# Altium PCB roach2.PcbDoc (part 36 of 39) (continued)
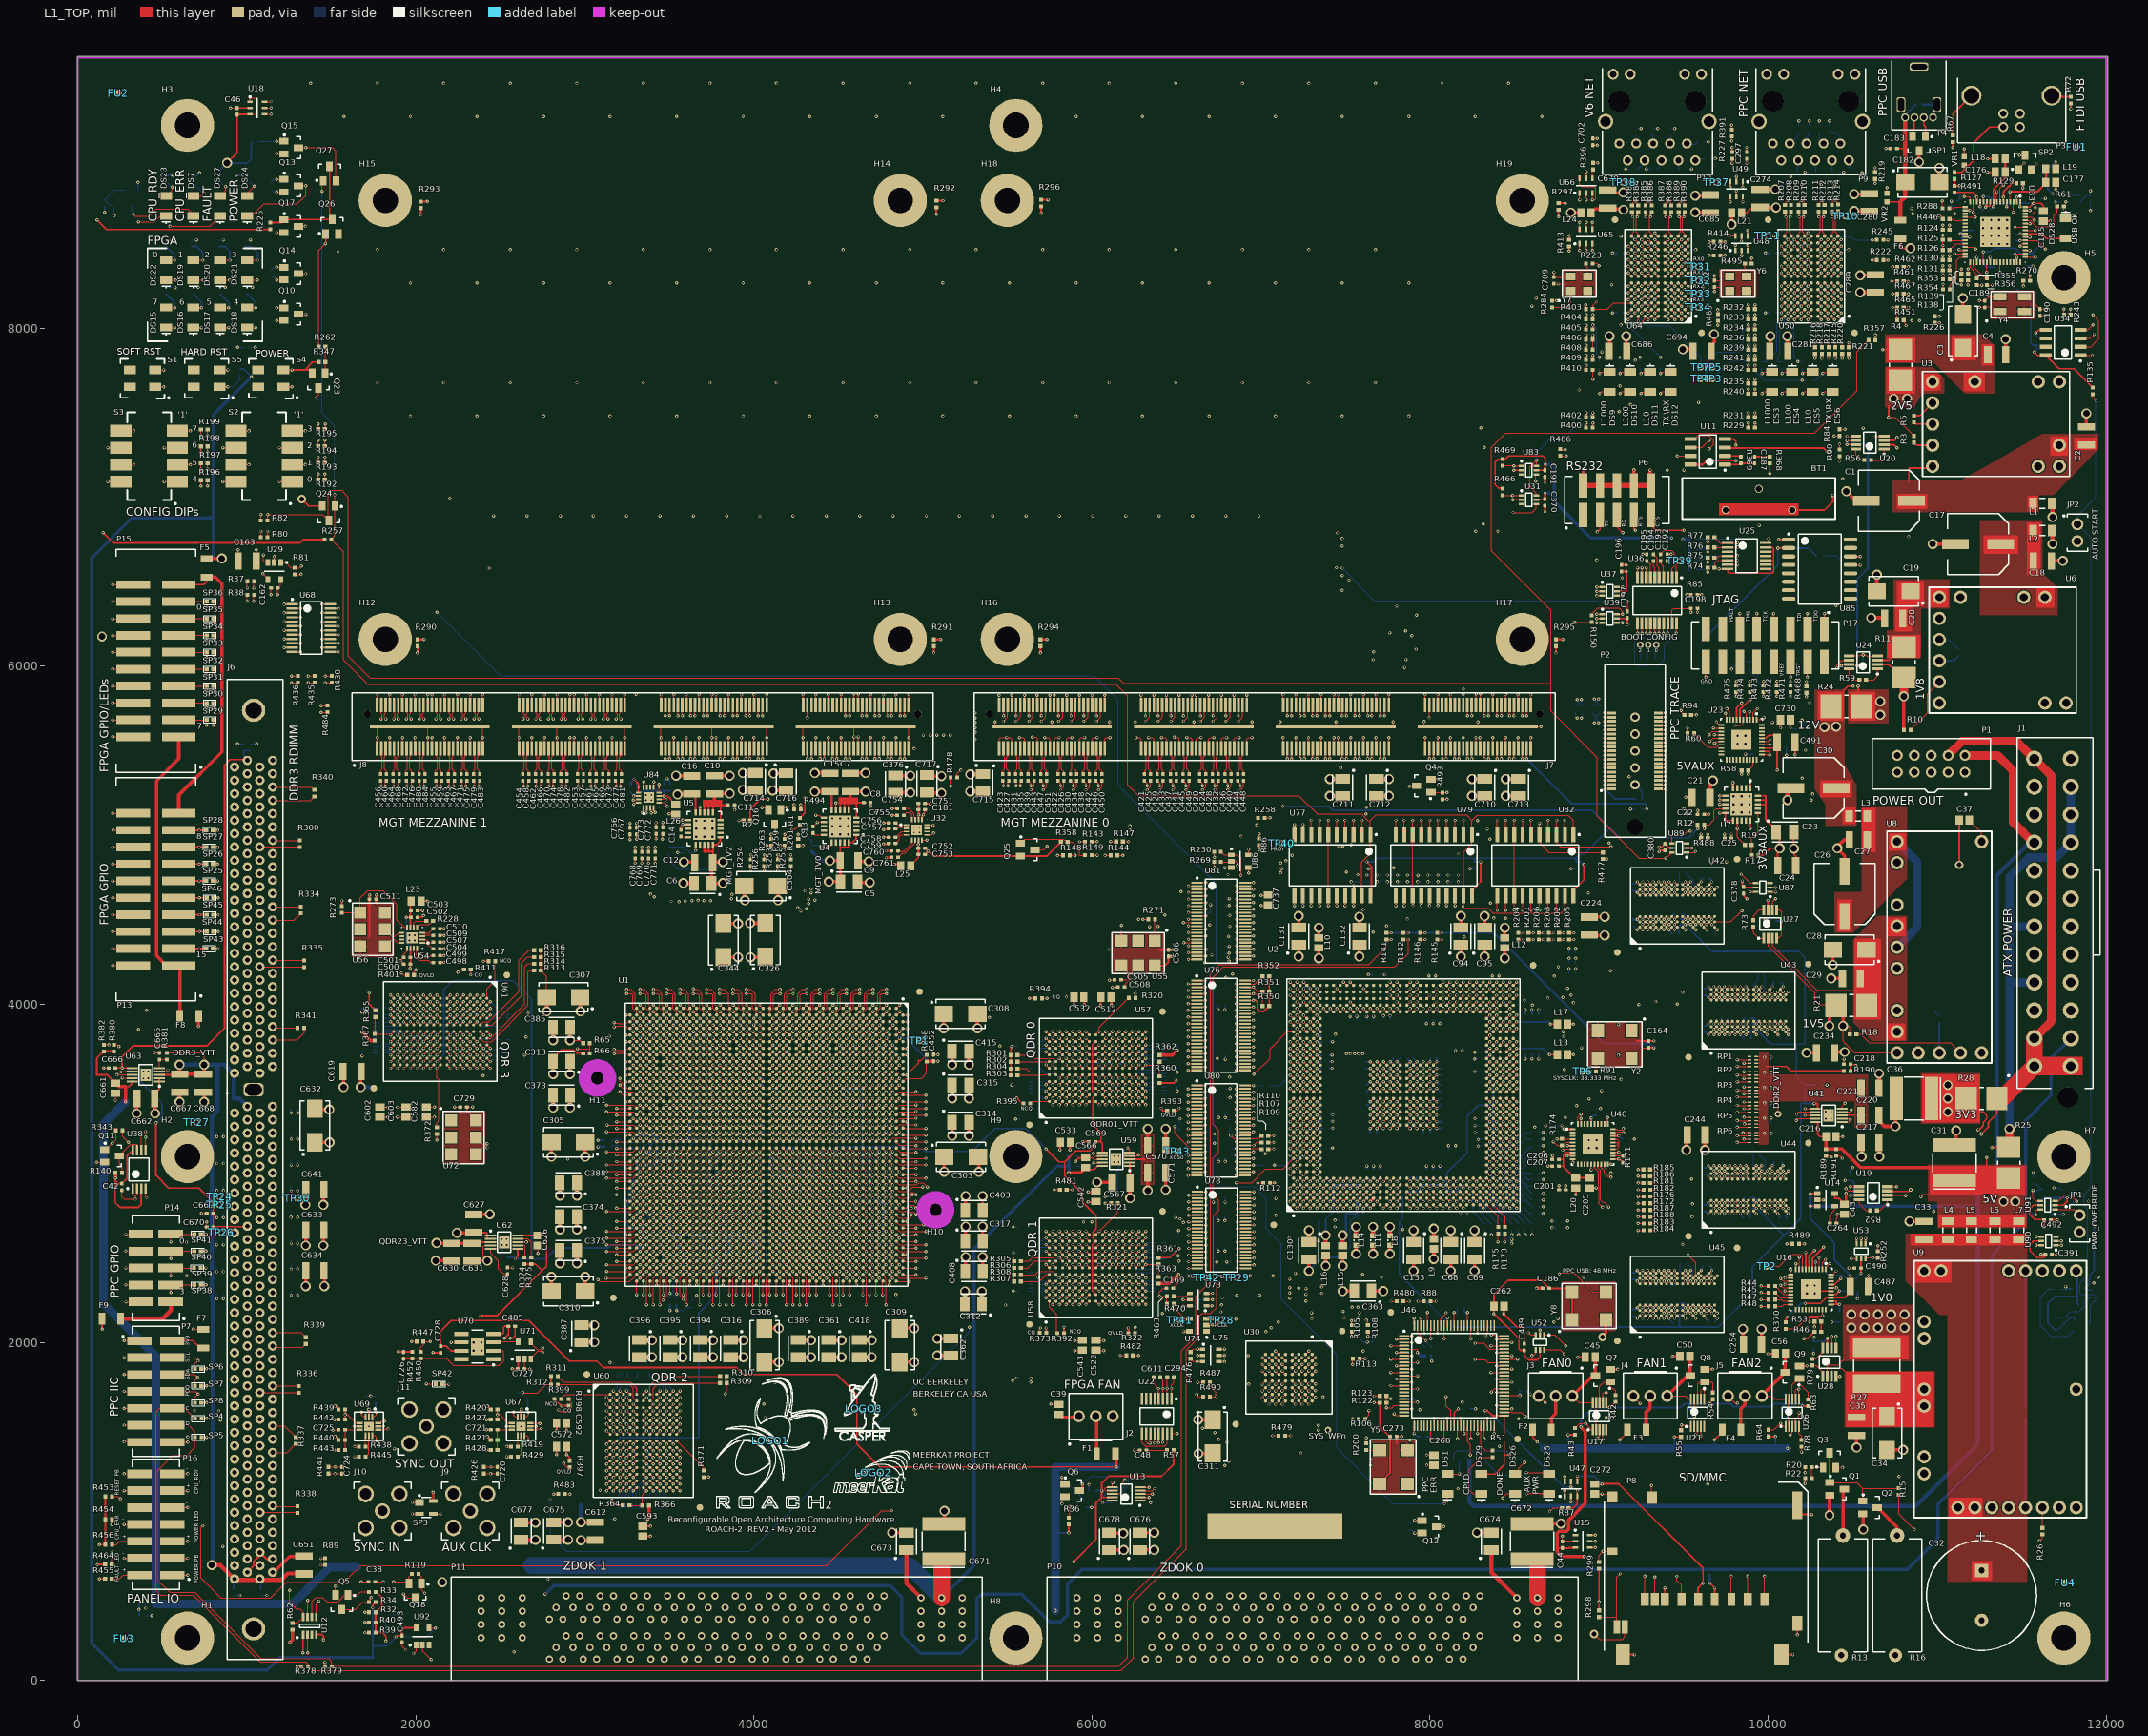
[diagram p0: L1_TOP view]
## Nets (pads, with @x,y where several pads share a name; then routed paths per layer and width w, separated by ;. In a path a pad name is that pad's centre, name@x,y a point inside that pad or via, vN(x,y) a via of type N, cw(c..) or ccw(c..) an arc to the next point about the centre after c; other vN are vias at no path point) (continued)
ZDOK0.DP_P16: P10.D13 U1.E42 | length 5161.6
  L1_TOP w5: v2(4723.51,2281.93) U1.E42@4723.51,2360.67
  L14_S w3.8: v2@4723.46,2283.46 4722.72,2282.72 4708.79,2268.79 4708.79,2256.19 4723.99,2240.99 4723.99,2157.99 4783.99,2097.99 4783.99,1706.99 5372.99,1117.99 5598.99,1117.99 ccw(c5598.99,1122.39) 5603.39,1122.39 5603.39,1180.7 cw(c5615.59,1180.7) 5627.79,1180.7 5627.79,1047.49 ccw(c5632.19,1047.49) 5636.59,1047.49 5636.59,1180.7 cw(c5648.79,1180.7) 5660.99,1180.7 5660.99,1047.49 ccw(c5665.39,1047.49) 5669.79,1047.49 5669.79,1180.7 cw(c5681.99,1180.7) 5694.19,1180.7 5694.19,1047.49 ccw(c5698.59,1047.49) 5702.99,1047.49 5702.99,1180.7 cw(c5715.19,1180.7) 5727.39,1180.7 5727.39,1122.39 ccw(c5731.79,1122.39) 5731.79,1117.99 5954.02,1117.99 6144.02,927.99 6429.02,927.99 6559.02,797.99 7284.02,797.99 7443.51,638.51 7457.99,624.02 7457.99,473.1 7427.41,442.52 7427.41,403.58 7487.99,342.99 7495.98,342.99 P10.D13@7515.2,362.2 ; v2@4723.51,2283.46 v2@4724.41,2283.46
ZDOK0.DP_P17: P10.D15 U1.C40 | length 5188.7
  L1_TOP w5: U1.C40@4802.25,2439.41 v1(4821.94,2419.72)
  L3_S w3.8: v1@4822.84,2421.26 4822.84,2419.72 4822.84,2419.15 4838.19,2403.79 4865.22,2403.79 4891.79,2377.22 4891.79,2279.22 5003.79,2167.22 5003.79,1855.19 5275.99,1582.99 5549.02,1582.99 5839.02,1292.99 5848.99,1292.99 ccw(c5848.99,1297.39) 5853.39,1297.39 5853.39,1303.99 cw(c5865.59,1303.99) 5877.79,1303.99 5877.79,1241.99 ccw(c5882.19,1241.99) 5886.59,1241.99 5886.59,1303.99 cw(c5898.79,1303.99) 5910.99,1303.99 5910.99,1241.99 ccw(c5915.39,1241.99) 5919.79,1241.99 5919.79,1303.99 cw(c5931.99,1303.99) 5944.19,1303.99 5944.19,1241.99 ccw(c5948.59,1241.99) 5952.99,1241.99 5952.99,1303.99 cw(c5965.19,1303.99) 5977.39,1303.99 5977.39,1241.99 ccw(c5981.79,1241.99) 5986.19,1241.99 5986.19,1303.99 cw(c5998.39,1303.99) 6010.59,1303.99 6010.59,1241.99 ccw(c6014.99,1241.99) 6019.39,1241.99 6019.39,1303.99 cw(c6031.59,1303.99) 6043.79,1303.99 6043.79,1241.99 ccw(c6048.19,1241.99) 6052.59,1241.99 6052.59,1303.99 cw(c6064.79,1303.99) 6076.99,1303.99 6076.99,1241.99 ccw(c6081.39,1241.99) 6085.79,1241.99 6085.79,1303.99 cw(c6097.99,1303.99) 6110.19,1303.99 6110.19,1241.99 ccw(c6114.59,1241.99) 6118.99,1241.99 6118.99,1280.79 cw(c6131.19,1280.79) 6131.19,1292.99 6454.02,1292.99 6674.02,1072.99 6946.22,1072.99 7170.79,848.42 7202.56,848.42 7602.99,447.99 7602.99,417.99 7682.99,337.99 7690.98,337.99 P10.D15@7715.2,362.2
ZDOK0.DP_P18: P10.D17 U1.E39 | length 5188.9
  L1_TOP w5: U1.E39@4723.51,2478.78 v1(4743.2,2459.09)
  L3_S w3.8: v1@4750.37,2460.63 4744.1,2460.63 4758.16,2474.69 4829.99,2474.69 4837.69,2466.99 4837.69,2449.62 4851.62,2435.69 4921.22,2435.69 4940.9,2416.01 5024.95,2416.01 5046.99,2393.96 5046.99,2361.19 5135.99,2272.19 5135.99,1850.96 5371.76,1615.19 5585.79,1615.19 5875.79,1325.19 6520.79,1325.19 6705.28,1140.71 6714.99,1140.71 ccw(c6714.99,1152.91) 6727.19,1152.91 6727.19,1167.8 cw(c6731.59,1167.8) 6735.99,1167.8 6735.99,1095.38 ccw(c6748.19,1095.38) 6760.39,1095.38 6760.39,1167.8 cw(c6764.79,1167.8) 6769.19,1167.8 6769.19,1095.38 ccw(c6781.39,1095.38) 6793.59,1095.38 6793.59,1167.8 cw(c6797.99,1167.8) 6802.39,1167.8 6802.39,1095.38 ccw(c6814.59,1095.38) 6826.79,1095.38 6826.79,1167.8 cw(c6831.19,1167.8) 6835.59,1167.8 6835.59,1095.38 ccw(c6847.79,1095.38) 6859.99,1095.38 6859.99,1167.8 cw(c6864.39,1167.8) 6868.79,1167.8 6868.79,1095.38 ccw(c6880.99,1095.38) 6893.19,1095.38 6893.19,1136.31 cw(c6897.59,1136.31) 6897.59,1140.71 6964.25,1140.71 6967.2,1137.75 7030.51,1074.44 ; 7030.52,1074.44 7549.76,555.19 7702.99,555.19 7757.99,500.19 7757.99,474.76 7850.8,381.96 7895.44,381.96 P10.D17@7915.2,362.2
ZDOK0.DP_P19: P10.D19 U1.B37 | length 5211.8
  L1_TOP w5: U1.B37@4841.62,2557.52 4861.31,2537.83 v2(5018.79,2537.83)
  L9_R w3.8: v2@5019.68,2539.37 5019.68,2537.83 5019.68,2533.87 5121.79,2431.76 5121.79,2150.99 5342.79,1929.99 5472.99,1929.99 5614.49,1788.49 5637.89,1788.49 v2(5637.99,1788.59)
  L12_S w3.8: v2(5637.99,1788.59) 5637.99,1787.25 5735.79,1689.45 5735.79,1490.19 6107.99,1117.99 6262.99,1117.99 6310.76,1165.76 6411.25,1165.76 6469.02,1107.99 6974.99,1107.99 ccw(c6974.99,1112.39) 6979.39,1112.39 6979.39,1149.29 cw(c6991.59,1149.29) 7003.79,1149.29 7003.79,1051.18 ccw(c7008.19,1051.18) 7012.59,1051.18 7012.59,1149.29 cw(c7024.79,1149.29) 7036.99,1149.29 7036.99,1051.18 ccw(c7041.39,1051.18) 7045.79,1051.18 7045.79,1149.29 cw(c7057.99,1149.29) 7070.19,1149.29 7070.19,1051.18 ccw(c7074.59,1051.18) 7078.99,1051.18 7078.99,1095.79 cw(c7091.19,1095.79) 7091.19,1107.99 7259.02,1107.99 7764.02,602.99 7896.22,602.99 7965.79,533.42 7965.79,478.42 7997.99,446.22 7997.99,422.99 8082.99,337.99 8090.98,337.99 P10.D19@8115.2,362.2
ZDOK0.DP_P20: P10.C1 U1.R28 | length 5193.9
  L1_TOP w5: U1.R28@4329.81,2911.85 v1(4349.5,2892.16)
  L3_S w3.8: v1(4349.5,2892.16) 4373.27,2868.39 4373.27,2341.72 4404.99,2309.99 4404.99,1739.99 4558.99,1585.99 4574.99,1585.99 5072.99,1087.99 5132.99,1087.99 5382.49,838.5 5470.16,750.83 cw(c5461.53,742.2) 5473.73,742.2 cw(c5461.53,742.2) 5470.16,733.57 5427.79,691.2 ccw(c5430.9,688.09) 5427.79,684.98 ccw(c5430.9,688.09) 5434.01,684.98 5507,757.97 cw(c5515.63,749.35) 5524.26,757.98 cw(c5515.63,749.35) 5527.83,749.35 cw(c5515.63,749.35) 5524.26,740.72 5499.51,715.97 ; 5499.5,715.96 5451.26,667.73 ccw(c5454.37,664.62) 5451.26,661.51 ccw(c5454.37,664.62) 5457.49,661.51 5530.47,734.5 cw(c5539.11,725.87) 5547.73,734.5 cw(c5539.11,725.87) 5551.3,725.87 cw(c5539.11,725.87) 5547.73,717.25 5522.98,692.5 5474.74,644.25 ccw(c5477.85,641.14) 5474.74,638.03 ccw(c5477.85,641.14) 5480.96,638.03 5553.95,711.02 cw(c5562.58,702.4) 5571.21,711.03 cw(c5562.58,702.4) 5574.78,702.4 cw(c5562.58,702.4) 5571.21,693.77 5546.46,669.02 ; 5545.16,573.83 ccw(c5548.27,570.72) 5545.16,567.61 ccw(c5548.27,570.72) 5551.39,567.61 5593.75,609.97 cw(c5602.38,601.35) 5611.01,609.98 5657.99,562.99 6154.02,562.99 6232.99,484.02 6232.99,307.99 6277.99,262.99 6414.21,262.99 P10.C1@6415,263.78 ; 5545.17,573.83 5618.15,646.82 ccw(c5609.53,655.45) 5621.73,655.45 ccw(c5609.53,655.45) 5618.16,664.08 ccw(c5609.53,655.45) 5600.9,664.08 5527.92,591.09 cw(c5524.8,594.19) 5521.69,591.08 cw(c5524.8,594.19) 5521.69,597.3 5594.68,670.29 ccw(c5586.06,678.92) 5598.26,678.92 ccw(c5586.06,678.92) 5594.68,687.55 ccw(c5586.06,678.92) 5577.43,687.55 5504.44,614.56 cw(c5501.32,617.67) 5498.21,614.56 cw(c5501.32,617.67) 5498.21,620.78 5546.45,669.01
ZDOK0.DP_P21: P10.C3 U1.M33 | length 5163.9
  L1_TOP w5: U1.M33@4448.82,2716.54 4448.82,2714.1 v1(4467.61,2695.31)
  L5_S w3.8: v1(4467.61,2695.31) 4483.21,2679.71 4483.21,2634.07 4491.01,2626.27 4491.01,2311.3 4511.06,2291.25 4511.06,2261.62 4511.59,2261.09 4511.59,2253.79 4531.27,2234.1 4531.27,2060.84 4561.22,2030.9 4561.22,1839.76 4845.79,1555.19 4845.79,1445.19 5207.99,1082.99 5438.99,1082.99 ccw(c5438.99,1087.39) 5443.39,1087.39 5443.39,1147.72 cw(c5455.59,1147.72) 5467.79,1147.72 5467.79,1010.46 ccw(c5472.19,1010.46) 5476.59,1010.46 5476.59,1147.72 cw(c5488.79,1147.72) 5500.99,1147.72 5500.99,1010.46 ccw(c5505.39,1010.46) 5509.79,1010.46 5509.79,1147.72 cw(c5521.99,1147.72) 5534.19,1147.72 5534.19,1010.46 ccw(c5538.59,1010.46) 5542.99,1010.46 5542.99,1147.72 cw(c5555.19,1147.72) 5567.39,1147.72 5567.39,1010.46 ccw(c5571.79,1010.46) 5576.19,1010.46 5576.19,1147.72 cw(c5588.39,1147.72) 5600.59,1147.72 5600.59,1087.39 ccw(c5604.99,1087.39) 5604.99,1082.99 5731.22,1082.99 5736.46,1077.75 5759.11,1055.11 6108.42,705.79 6237.21,705.79 6312,631 6312,428 6367.56,372.44 6367.56,338.42 6395.19,310.79 6505.19,310.79 6572.99,242.99 6594.21,242.99 P10.C3@6615,263.78
ZDOK0.DP_P22: P10.C5 U1.N29 | length 5200.5
  L1_TOP w5: U1.N29@4408.55,2872.48 v1(4428.24,2852.79)
  L3_S w3.8: v1(4428.24,2852.79) 4446.04,2834.99 4474.38,2834.99 4491.38,2817.99 4491.38,2413.26 4511.06,2393.58 4511.06,2275.47 4534.83,2251.69 4534.83,2187.83 4523.99,2176.99 4523.99,2091.99 4561.99,2053.99 4561.99,1796.99 5140.99,1217.99 5206.22,1217.99 5230.1,1194.11 5248.96,1175.26 ccw(c5252.07,1178.37) 5255.18,1175.26 5277.41,1197.49 cw(c5286.04,1188.86) 5294.66,1197.49 cw(c5286.04,1188.86) 5298.23,1188.86 cw(c5286.04,1188.86) 5294.66,1180.24 5266.57,1152.14 5225.97,1111.54 ; 5225.96,1111.54 ccw(c5229.07,1108.43) 5225.96,1105.31 ccw(c5229.07,1108.43) 5232.18,1105.31 5300.88,1174.01 cw(c5309.51,1165.39) 5318.14,1174.01 cw(c5309.51,1165.39) 5321.71,1165.39 cw(c5309.51,1165.39) 5318.14,1156.76 5290.04,1128.67 5249.44,1088.07 ; 5249.44,1088.06 ccw(c5252.55,1084.95) 5249.44,1081.84 ccw(c5252.55,1084.95) 5255.66,1081.84 5324.36,1150.54 cw(c5332.99,1141.91) 5341.61,1150.54 cw(c5332.99,1141.91) 5345.18,1141.91 cw(c5332.99,1141.91) 5341.61,1133.29 5313.52,1105.19 5272.92,1064.59 ; 5272.91,1064.59 ccw(c5276.02,1061.48) 5272.91,1058.36 ccw(c5276.02,1061.48) 5279.14,1058.36 5347.83,1127.06 cw(c5356.46,1118.44) 5365.09,1127.06 cw(c5356.46,1118.44) 5368.66,1118.44 cw(c5356.46,1118.44) 5365.09,1109.81 5336.99,1081.72 5296.39,1041.11 ccw(c5299.5,1038) 5296.39,1034.89 ccw(c5299.5,1038) 5302.61,1034.89 5371.31,1103.59 cw(c5379.94,1094.96) 5388.56,1103.59 cw(c5379.94,1094.96) 5392.14,1094.96 cw(c5379.94,1094.96) 5388.56,1086.34 5360.47,1058.24 ; 5360.46,1058.23 5319.86,1017.64 ccw(c5322.97,1014.53) 5319.86,1011.41 ccw(c5322.97,1014.53) 5326.09,1011.41 5360.82,1046.15 cw(c5369.44,1037.52) 5378.07,1046.15 5753.42,670.79 6216.22,670.79 6340.79,546.22 6340.79,495.19 6369.53,466.46 6369.6,466.46 6407.99,428.07 6407.99,417.99 6450.28,375.71 6450.28,336.74 6473.51,313.51 6717.48,313.51 6735.28,295.71 6735.28,280.71 6777.99,237.99 6789.21,237.99 P10.C5@6815,263.78
ZDOK0.DP_P23: P10.C7 U1.L34 | length 5250.1
  L1_TOP w5: U1.L34@4488.19,2677.17 4488.19,2674.73 v1(4506.98,2655.94)
  L12_S w3.8: v1(4506.98,2655.94) 4521.8,2655.94 4530.75,2647 4530.75,2567.88 4516.3,2553.43 4515,2553.43 4514.22,2552.65 4513.44,2553.43 4500.51,2553.43 4491.38,2544.3 4491.38,2413.26 4511.06,2393.58 4511.06,2275.47 4538.49,2248.03 4538.49,2083.59 4482.56,2027.67 4482.56,1891.42 4630.79,1743.19 4630.79,1580.19 5370.73,840.25 cw(c5360.12,829.64) 5375.13,829.64 cw(c5360.12,829.64) 5370.73,819.03 5327.88,776.19 ccw(c5331,773.07) 5334.11,769.96 5376.95,812.81 cw(c5387.56,802.2) 5398.17,812.81 cw(c5387.56,802.2) 5402.57,802.2 cw(c5387.56,802.2) 5398.18,791.59 5355.33,748.74 ccw(c5358.44,745.63) 5361.55,742.52 5404.4,785.36 cw(c5415.01,774.75) 5425.62,785.36 cw(c5415.01,774.75) 5430.02,774.75 cw(c5415.01,774.75) 5425.62,764.14 5382.77,721.3 ccw(c5385.89,718.18) 5389,715.07 5431.84,757.92 cw(c5442.45,747.31) 5453.07,757.92 5482.99,727.99 5654.89,727.99 cw(c5654.89,714.49) 5668.39,714.49 5668.39,658.95 ccw(c5672.79,658.95) 5677.19,658.95 5677.19,714.49 cw(c5690.69,714.49) 5704.19,714.49 5704.19,658.95 ccw(c5708.59,658.95) 5712.99,658.95 5712.99,714.49 cw(c5726.49,714.49) 5739.99,714.49 5739.99,658.95 ccw(c5744.39,658.95) 5748.79,658.95 5748.79,714.49 cw(c5762.29,714.49) 5775.79,714.49 5775.79,658.95 ccw(c5780.19,658.95) 5784.59,658.95 5784.59,714.49 cw(c5798.09,714.49) 5798.09,727.99 5939.02,727.99 6014.02,652.99 6526.01,652.99 6585,594 6585,465 6627.41,422.59 6627.41,398.58 6705.19,320.79 6895.19,320.79 6977.99,237.99 6989.21,237.99 P10.C7@7015,263.78
ZDOK0.DP_P24: P10.C9 U1.G34 | length 5168.6
  L1_TOP w5: U1.G34@4644.77,2675.63 v1(4664.46,2655.94)
  L5_S w3.8: v1(4664.46,2655.94) 4680.06,2640.34 4718.14,2640.34 4727.6,2630.89 4727.6,2373.89 4736.74,2364.75 4877.23,2364.75 4910.99,2330.99 4980.99,2330.99 5018.28,2293.71 5018.28,1882.28 5417.56,1482.99 5658.99,1482.99 ccw(c5658.99,1487.39) 5663.39,1487.39 5663.39,1548.14 cw(c5675.59,1548.14) 5687.79,1548.14 5687.79,1458.44 ccw(c5692.19,1458.44) 5696.59,1458.44 5696.59,1548.14 cw(c5708.79,1548.14) 5720.99,1548.14 5720.99,1458.44 ccw(c5725.39,1458.44) 5729.79,1458.44 5729.79,1548.14 cw(c5741.99,1548.14) 5754.19,1548.14 5754.19,1458.44 ccw(c5758.59,1458.44) 5762.99,1458.44 5762.99,1548.14 cw(c5775.19,1548.14) 5787.39,1548.14 5787.39,1458.44 ccw(c5791.79,1458.44) 5796.19,1458.44 5796.19,1548.14 cw(c5808.39,1548.14) 5820.59,1548.14 5820.59,1487.39 ccw(c5824.99,1487.39) 5824.99,1482.99 5891.22,1482.99 5896.46,1477.75 5899.11,1475.11 6058.42,1315.79 6381.22,1315.79 6961.22,735.79 7076.22,735.79 7145.79,666.22 7145.79,485.79 7117.99,457.99 7117.99,419.02 7157.99,379.02 7157.99,262.99 7182.99,237.99 7189.21,237.99 P10.C9@7215,263.78 ; v1@4665.36,2657.48 v1@4665.68,2657.16
ZDOK0.DP_P25: P10.C11 U1.F39 | length 5179.6
  L1_TOP w5: U1.F39@4684.14,2478.78 v1(4703.83,2459.09)
  L12_S w3.8: v1(4703.83,2459.09) 4688.23,2443.49 4688.23,2330.26 4707.91,2310.57 4707.91,2235.41 4688.94,2216.44 4688.94,2162.99 4793.99,2057.94 4793.99,1939.99 5100.79,1633.19 5100.79,1622.99 5118.89,1604.9 5234.83,1488.95 cw(c5226.2,1480.33) 5238.4,1480.33 cw(c5226.2,1480.33) 5234.83,1471.7 5201.2,1438.07 ccw(c5204.31,1434.96) 5201.2,1431.85 ccw(c5204.31,1434.96) 5207.42,1431.85 5296.63,1521.06 cw(c5305.26,1512.44) 5313.89,1521.06 cw(c5305.26,1512.44) 5317.46,1512.44 cw(c5305.26,1512.44) 5313.89,1503.81 5264.18,1454.1 5224.67,1414.59 ccw(c5227.78,1411.48) 5224.67,1408.37 ccw(c5227.78,1411.48) 5230.89,1408.37 5320.11,1497.58 cw(c5328.74,1488.96) 5337.37,1497.59 cw(c5328.74,1488.96) 5340.94,1488.96 cw(c5328.74,1488.96) 5337.37,1480.34 5287.65,1430.63 ; 5287.64,1430.62 5248.15,1391.12 ccw(c5251.26,1388.01) 5248.15,1384.9 ccw(c5251.26,1388.01) 5254.37,1384.9 5343.58,1474.11 cw(c5352.21,1465.49) 5360.84,1474.11 cw(c5352.21,1465.49) 5364.41,1465.49 cw(c5352.21,1465.49) 5360.84,1456.86 5311.13,1407.15 5271.62,1367.64 ccw(c5274.73,1364.53) 5271.62,1361.42 ccw(c5274.73,1364.53) 5277.84,1361.42 5311.47,1395.05 cw(c5320.1,1386.43) 5328.73,1395.05 5795.79,927.99 7159.02,927.99 7350.28,736.74 7350.28,505.28 7325.79,480.79 7325.79,413.42 7357.99,381.22 7357.99,257.99 7377.99,237.99 7389.21,237.99 P10.C11@7415,263.78
ZDOK0.DP_P26: P10.C13 U1.F37 | length 5194.9
  L1_TOP w5: U1.F37@4684.14,2557.52 v1(4703.83,2537.83)
  L3_S w3.8: v1(4703.83,2537.83) 4719.8,2521.86 4719.8,2346.16 4739.48,2326.47 4739.48,2188.97 4823.99,2104.46 4823.99,1902.76 5226.56,1500.19 5435.79,1500.19 5850.79,1085.19 6250.79,1085.19 6308.39,1027.59 6356.68,1027.59 6369.8,1040.71 6489.25,1040.71 6564.97,964.98 6599.52,930.44 6604.76,925.19 6694.39,925.19 ccw(c6694.39,937.39) 6706.59,937.39 6706.59,988.71 cw(c6710.99,988.71) 6715.39,988.71 6715.39,902.28 ccw(c6727.59,902.28) 6739.79,902.28 6739.79,988.71 cw(c6744.19,988.71) 6748.59,988.71 6748.59,902.28 ccw(c6760.79,902.28) 6772.99,902.28 6772.99,988.71 cw(c6777.39,988.71) 6781.79,988.71 6781.79,902.28 ccw(c6793.99,902.28) 6806.19,902.28 6806.19,988.71 cw(c6810.59,988.71) 6814.99,988.71 6814.99,902.28 ccw(c6827.19,902.28) 6839.39,902.28 6839.39,988.71 cw(c6843.79,988.71) 6848.19,988.71 6848.19,886.39 ccw(c6860.39,886.39) 6872.59,886.39 6872.59,920.79 cw(c6876.99,920.79) 6876.99,925.19 6897.99,925.19 7287.99,535.19 7307.99,535.19 7407.99,435.19 7407.99,404.76 7529.22,283.53 7595.25,283.53 P10.C13@7615,263.78
ZDOK0.DP_P27: P10.C15 U1.D42 | length 5123.2
  L1_TOP w5: v2(4762.88,2281.93) U1.D42@4762.88,2360.67
  L14_S w3.8: v2@4763.78,2283.46 4764.1,2283.15 4794.45,2252.79 4821.22,2252.79 4835.79,2238.22 4835.79,2178.99 4882.99,2131.79 4882.99,1847.99 4957.99,1772.99 5096.22,1772.99 5229.6,1639.61 5375.59,1493.63 cw(c5366.96,1485) 5379.16,1485 cw(c5366.96,1485) 5375.59,1476.37 5359.39,1460.17 ccw(c5362.49,1457.06) 5359.38,1453.95 ccw(c5362.49,1457.06) 5365.6,1453.95 5434.85,1523.19 cw(c5443.48,1514.57) 5452.1,1523.19 cw(c5443.48,1514.57) 5455.68,1514.57 cw(c5443.48,1514.57) 5452.1,1505.94 5404.94,1458.77 ; 5404.93,1458.76 5382.86,1436.69 ccw(c5385.97,1433.58) 5382.86,1430.47 ccw(c5385.97,1433.58) 5389.08,1430.47 5458.33,1499.72 cw(c5466.95,1491.09) 5475.58,1499.72 cw(c5466.95,1491.09) 5479.15,1491.09 cw(c5466.95,1491.09) 5475.58,1482.47 5406.33,1413.22 ccw(c5409.44,1410.11) 5406.33,1407 ccw(c5409.44,1410.11) 5412.55,1407 5481.8,1476.24 cw(c5490.43,1467.62) 5499.05,1476.24 cw(c5490.43,1467.62) 5502.63,1467.62 cw(c5490.43,1467.62) 5499.05,1458.99 5429.81,1389.74 ccw(c5432.92,1386.63) 5429.81,1383.52 ccw(c5432.92,1386.63) 5436.03,1383.52 5452.23,1399.73 cw(c5460.86,1391.1) 5469.49,1399.73 5533.42,1335.79 6006.22,1335.79 6188.51,1153.51 6293.51,1153.51 6315.28,1175.28 6436.74,1175.28 6584.02,1027.99 7326.22,1027.99 7597.99,756.22 ; 7597.11,757.11 7740.28,613.94 7740.28,470.28 7727.41,457.41 7727.41,414.61 7752.99,389.02 7752.99,267.99 7782.99,237.99 7789.21,237.99 P10.C15@7815,263.78
ZDOK0.DP_P28: P10.C17 U1.A40 | length 5100.7
  L1_TOP w5: U1.A40@4880.99,2439.41 4881.89,2439.41 v2(4959.73,2439.41)
  L14_S w3.8: v2@4960.63,2440.94 4960.95,2440.63 4975.42,2426.16 5083.76,2426.16 5195.79,2314.13 5195.79,2126.99 5419.79,1902.99 5521.22,1902.99 5585.79,1838.42 5585.79,1670.19 5787.99,1467.99 5912.99,1467.99 ccw(c5912.99,1472.39) 5917.39,1472.39 5917.39,1507.17 cw(c5929.59,1507.17) 5941.79,1507.17 5941.79,1435.69 ccw(c5946.19,1435.69) 5950.59,1435.69 5950.59,1524.5 cw(c5962.79,1524.5) 5974.99,1524.5 5974.99,1435.69 ccw(c5979.39,1435.69) 5983.79,1435.69 5983.79,1514.07 cw(c5995.99,1514.07) 6008.19,1514.07 6008.19,1435.69 ccw(c6012.59,1435.69) 6016.99,1435.69 6016.99,1507.12 cw(c6029.19,1507.12) 6041.39,1507.12 6041.39,1472.39 ccw(c6045.79,1472.39) 6045.79,1467.99 6089.02,1467.99 6094.26,1462.75 6155.51,1401.51 6284.02,1272.99 6511.22,1272.99 6643.42,1140.79 7411.22,1140.79 7960.79,591.22 7960.79,486.22 7990.31,456.7 7990.31,405.31 7957.99,372.99 7957.99,267.99 7982.99,242.99 7994.21,242.99 P10.C17@8015,263.78
ZDOK0.DP_P29: P10.F1 U1.L31 | length 5207.7
  L1_TOP w5: U1.L31@4487.29,2793.74 v1(4506.98,2774.05)
  L3_S w3.8: v1(4506.98,2774.05) 4530.75,2750.28 4530.75,2362.74 4550.43,2343.05 4550.43,2112.55 4551.33,2111.65 4602.79,2060.19 4602.79,1847.99 5192.79,1257.99 5256.22,1257.99 5778.42,735.79 5798.99,735.79 ccw(c5798.99,740.19) 5803.39,740.19 5803.39,801.43 cw(c5815.59,801.43) 5827.79,801.43 5827.79,692.36 ccw(c5832.19,692.36) 5836.59,692.36 5836.59,801.43 cw(c5848.79,801.43) 5860.99,801.43 5860.99,709.83 ccw(c5865.39,709.83) 5869.79,709.83 5869.79,801.43 cw(c5881.99,801.43) 5894.19,801.43 5894.19,740.19 ccw(c5898.59,740.19) 5902.99,740.19 5902.99,801.43 cw(c5915.19,801.43) 5927.39,801.43 5927.39,692.36 ccw(c5931.79,692.36) 5936.19,692.36 5936.19,801.43 cw(c5948.39,801.43) 5960.59,801.43 5960.59,692.36 ccw(c5964.99,692.36) 5969.39,692.36 5969.39,801.43 cw(c5981.59,801.43) 5993.79,801.43 5993.79,692.36 ccw(c5998.19,692.36) 6002.59,692.36 6002.59,801.43 cw(c6014.79,801.43) 6026.99,801.43 6026.99,692.36 ccw(c6031.39,692.36) 6035.79,692.36 6035.79,801.43 cw(c6047.99,801.43) 6060.19,801.43 6060.19,692.36 ccw(c6064.59,692.36) 6068.99,692.36 6068.99,723.59 cw(c6081.19,723.59) 6081.19,735.79 6226.22,735.79 6370.42,591.59 6370.42,500.42 6397.85,472.99 6402.99,472.99 6415,485 P10.F1@6415,500
ZDOK0.DP_P30: P10.F3 U1.J37 | length 5301.9
  L1_TOP w5: U1.J37@4566.03,2557.52 v1(4585.72,2537.83)
  L5_S w3.8: v1(4585.72,2537.83) 4585.72,2544.15 4595,2553.43 4632.62,2553.43 4641.06,2545 4641.06,2403.75 4660.74,2384.07 4660.74,2266.04 4703.44,2223.35 4703.44,2190.52 4653.19,2140.27 4653.19,1883.76 4791.76,1745.19 4857.99,1745.19 5265.19,1337.99 5652.39,1337.99 ccw(c5652.39,1350.19) 5664.59,1350.19 5664.59,1402.06 cw(c5668.99,1402.06) 5673.39,1402.06 5673.39,1298.92 ccw(c5685.59,1298.92) 5697.79,1298.92 5697.79,1402.06 cw(c5702.19,1402.06) 5706.59,1402.06 5706.59,1298.92 ccw(c5718.79,1298.92) 5730.99,1298.92 5730.99,1402.06 cw(c5735.39,1402.06) 5739.79,1402.06 5739.79,1298.92 ccw(c5751.99,1298.92) 5764.19,1298.92 5764.19,1402.06 cw(c5768.59,1402.06) 5772.99,1402.06 5772.99,1298.92 ccw(c5785.19,1298.92) 5797.39,1298.92 5797.39,1402.06 cw(c5801.79,1402.06) 5806.19,1402.06 5806.19,1298.92 ccw(c5818.39,1298.92) 5830.59,1298.92 5830.59,1333.59 cw(c5834.99,1333.59) 5834.99,1337.99 5857.99,1337.99 6007.99,1187.99 6007.99,1052.99 6065.79,995.19 6170.99,995.19 ccw(c6170.99,1007.39) 6183.19,1007.39 6183.19,1070.79 cw(c6187.59,1070.79) 6191.99,1070.79 6191.99,1007.39 ccw(c6204.19,1007.39) 6216.39,1007.39 6216.39,1070.79 cw(c6220.79,1070.79) 6225.19,1070.79 6225.19,1007.39 ccw(c6237.39,1007.39) 6249.59,1007.39 6249.59,1070.79 cw(c6253.99,1070.79) 6258.39,1070.79 6258.39,1007.39 ccw(c6270.59,1007.39) 6282.79,1007.39 6282.79,1070.79 cw(c6287.19,1070.79) 6291.59,1070.79 6291.59,1007.39 ccw(c6303.79,1007.39) 6303.79,995.19 6377.99,995.19 6607.99,765.19 6607.99,734.76 6651.06,691.69 6651.06,536.06 P10.F3@6615,500
ZDOK0.DP_P31: P10.F5 U1.J40 | length 5248.8
  L1_TOP w5: U1.J40@4566.03,2439.41 v1(4585.72,2419.72)
  L12_S w3.8: v1(4585.72,2419.72) 4585.72,2402.72 4570.12,2387.12 4570.12,2331.84 4589.19,2312.76 4589.19,1909.76 4817.48,1681.48 4817.48,1660.99 ccw(c4829.68,1660.99) 4829.68,1648.79 4888.13,1648.79 cw(c4888.13,1644.39) 4892.53,1644.39 cw(c4888.13,1644.39) 4888.13,1639.99 4756.72,1639.99 ccw(c4756.72,1627.79) 4756.72,1615.59 4888.13,1615.59 cw(c4888.13,1611.19) 4892.53,1611.19 cw(c4888.13,1611.19) 4888.13,1606.79 4756.72,1606.79 ccw(c4756.72,1594.59) 4756.72,1582.39 4813.08,1582.39 cw(c4813.08,1577.99) 4817.48,1577.99 4817.48,1543.51 4870.49,1490.49 ccw(c4881.1,1501.1) 4891.71,1490.49 4909.98,1508.76 cw(c4913.09,1505.64) 4917.49,1505.64 cw(c4913.09,1505.64) 4916.2,1502.53 4858.45,1444.78 ccw(c4869.06,1434.17) 4879.67,1423.56 4937.42,1481.31 cw(c4940.53,1478.2) 4944.93,1478.2 cw(c4940.53,1478.2) 4943.65,1475.09 4885.9,1417.34 ccw(c4896.51,1406.73) 4907.12,1396.12 4964.87,1453.87 cw(c4967.98,1450.75) 4972.38,1450.75 cw(c4967.98,1450.75) 4971.09,1447.64 4913.34,1389.89 ccw(c4923.95,1379.28) 4934.56,1368.67 4992.31,1426.42 cw(c4995.42,1423.31) 4999.82,1423.31 cw(c4995.42,1423.31) 4998.54,1420.2 4940.79,1362.45 ccw(c4951.4,1351.84) 4962.01,1341.23 5019.76,1398.97 cw(c5022.87,1395.86) 5027.27,1395.86 cw(c5022.87,1395.86) 5025.98,1392.75 4968.23,1335 ccw(c4978.84,1324.39) 4989.45,1313.78 5047.2,1371.53 cw(c5050.31,1368.42) 5054.71,1368.42 cw(c5050.31,1368.42) 5053.43,1365.31 4995.68,1307.56 ccw(c5006.29,1296.95) 5016.9,1286.34 5042.66,1312.1 cw(c5045.77,1308.99) 5048.89,1312.1 5592.99,767.99 5942.99,767.99 6020.79,690.19 6825.79,690.19 6847.99,667.99 6847.99,532.99 P10.F5@6815,500
ZDOK0.DP_P32: P10.F7 U1.K38 | length 5227.1
  L1_TOP w5: U1.K38@4526.66,2518.15 v1(4546.35,2498.46)
  L9_R w3.8: v1(4546.35,2498.46) 4562.32,2482.49 4562.32,2348.98 4594.48,2316.82 4594.48,1849.76 4859.05,1585.19 4940.19,1585.19 4947.99,1577.39 v3(4956.68,1577.39)
  L12_S w3.8: v3(4956.68,1577.39) 4972.28,1592.99 4982.99,1592.99 4992.99,1582.99 4992.99,1526.96 5462.98,1056.98 ccw(c5471.6,1065.6) 5480.23,1056.98 5497.46,1074.21 cw(c5500.57,1071.1) 5503.69,1074.21 cw(c5500.57,1071.1) 5504.97,1071.1 cw(c5500.57,1071.1) 5503.69,1067.99 5480.59,1044.89 5464.99,1029.29 ccw(c5473.61,1020.66) 5464.98,1012.03 ccw(c5473.61,1020.66) 5482.23,1012.03 5497.83,1027.63 5520.94,1050.74 cw(c5524.05,1047.62) 5527.16,1050.74 cw(c5524.05,1047.62) 5528.45,1047.62 cw(c5524.05,1047.62) 5527.16,1044.51 5504.06,1021.42 5488.46,1005.81 ccw(c5497.08,997.18) 5488.46,988.56 ccw(c5497.08,997.18) 5505.71,988.56 5521.31,1004.15 5544.41,1027.26 cw(c5547.52,1024.15) 5550.64,1027.26 cw(c5547.52,1024.15) 5551.92,1024.15 cw(c5547.52,1024.15) 5550.64,1021.04 5527.54,997.94 5511.94,982.34 ccw(c5520.56,973.71) 5511.93,965.08 ccw(c5520.56,973.71) 5529.18,965.08 5567.88,1003.78 cw(c5571,1000.67) 5574.11,1003.78 cw(c5571,1000.67) 5575.4,1000.67 cw(c5571,1000.67) 5574.11,997.56 5551.01,974.47 5535.41,958.86 ccw(c5544.03,950.23) 5535.41,941.61 ccw(c5544.03,950.23) 5552.66,941.61 5591.36,980.31 cw(c5594.47,977.2) 5597.59,980.31 cw(c5594.47,977.2) 5598.87,977.2 cw(c5594.47,977.2) 5597.59,974.09 5574.49,950.99 5558.89,935.39 ccw(c5567.51,926.76) 5558.88,918.13 ccw(c5567.51,926.76) 5576.13,918.13 5614.84,956.83 cw(c5617.95,953.72) 5621.06,956.83 cw(c5617.95,953.72) 5622.35,953.72 cw(c5617.95,953.72) 5621.06,950.61 5597.96,927.52 5582.36,911.91 ccw(c5590.98,903.28) 5582.36,894.66 ccw(c5590.98,903.28) 5599.61,894.66 5638.31,933.36 cw(c5641.42,930.25) 5644.54,933.36 cw(c5641.42,930.25) 5645.82,930.25 cw(c5641.42,930.25) 5644.54,927.14 5621.44,904.04 5605.84,888.44 ccw(c5614.46,879.81) 5605.83,871.18 ccw(c5614.46,879.81) 5623.08,871.18 5661.79,909.88 cw(c5664.9,906.77) 5668.01,909.88 cw(c5664.9,906.77) 5669.3,906.77 cw(c5664.9,906.77) 5668.01,903.66 5647.98,883.63 ccw(c5653.8,877.8) 5647.98,871.98 5694.76,825.19 5706.99,825.19 ccw(c5706.99,837.39) 5719.19,837.39 5719.19,864.64 cw(c5723.59,864.64) 5727.99,864.64 5727.99,837.39 ccw(c5740.19,837.39) 5752.39,837.39 5752.39,864.64 cw(c5756.79,864.64) 5761.19,864.64 5761.19,837.39 ccw(c5773.39,837.39) 5785.59,837.39 5785.59,864.64 cw(c5789.99,864.64) 5794.39,864.64 5794.39,837.39 ccw(c5806.59,837.39) 5818.79,837.39 5818.79,864.64 cw(c5823.19,864.64) 5827.59,864.64 5827.59,837.39 ccw(c5839.79,837.39) 5851.99,837.39 5851.99,843.99 cw(c5856.39,843.99) 5860.79,843.99 5860.79,837.39 ccw(c5872.99,837.39) 5885.19,837.39 5885.19,858.38 cw(c5889.59,858.38) 5893.99,858.38 5893.99,837.39 ccw(c5906.19,837.39) 5906.19,825.19 6085.79,825.19 6111.55,799.44 6166.11,799.44 6173.91,807.24 6383.26,807.24 6415.3,775.19 6945.79,775.19 7042.99,677.99 7042.99,527.99 P10.F7@7015,500
ZDOK0.DP_P33: P10.F9 U1.H39 | length 5201
  L1_TOP w5: U1.H39@4605.4,2478.78 v1(4625.09,2459.09)
  L12_S w3.8: v1(4625.09,2459.09) 4641.06,2443.12 4641.06,2337.9 4660.74,2318.21 4660.74,2252.74 4625.99,2217.99 4625.99,2181 4733.42,2073.56 4733.42,1905.76 4831.99,1807.19 4855.99,1807.19 5022.99,1640.19 5022.99,1576.96 5143.97,1455.98 5289.28,1310.68 ccw(c5297.9,1319.3) 5306.53,1310.68 5337.61,1341.75 cw(c5340.72,1338.64) 5343.83,1341.75 cw(c5340.72,1338.64) 5345.12,1338.64 cw(c5340.72,1338.64) 5343.83,1335.53 5306.89,1298.59 5286.34,1278.05 ccw(c5294.96,1269.42) 5286.34,1260.79 ccw(c5294.96,1269.42) 5303.59,1260.79 5361.08,1318.28 cw(c5364.19,1315.17) 5367.3,1318.28 cw(c5364.19,1315.17) 5368.59,1315.17 cw(c5364.19,1315.17) 5367.3,1312.06 5330.36,1275.12 5309.82,1254.57 ; 5309.81,1254.57 ccw(c5318.44,1245.94) 5309.81,1237.31 ccw(c5318.44,1245.94) 5327.07,1237.31 5384.56,1294.8 cw(c5387.67,1291.69) 5390.78,1294.8 cw(c5387.67,1291.69) 5392.07,1291.69 cw(c5387.67,1291.69) 5390.78,1288.58 5353.84,1251.64 5333.29,1231.1 ccw(c5341.92,1222.46) 5333.29,1213.84 ccw(c5341.92,1222.46) 5350.54,1213.84 5408.03,1271.33 cw(c5411.14,1268.22) 5414.25,1271.33 cw(c5411.14,1268.22) 5415.54,1268.22 cw(c5411.14,1268.22) 5414.25,1265.11 5377.31,1228.17 5356.76,1207.62 ccw(c5365.39,1198.99) 5356.76,1190.36 ccw(c5365.39,1198.99) 5374.02,1190.36 ; 5374.02,1190.37 5431.51,1247.85 cw(c5434.62,1244.74) 5437.73,1247.85 cw(c5434.62,1244.74) 5439.02,1244.74 cw(c5434.62,1244.74) 5437.73,1241.63 5400.79,1204.69 5380.24,1184.14 ccw(c5388.87,1175.51) 5380.24,1166.89 ccw(c5388.87,1175.51) 5397.49,1166.89 5454.98,1224.38 cw(c5458.09,1221.27) 5461.2,1224.38 cw(c5458.09,1221.27) 5462.49,1221.27 cw(c5458.09,1221.27) 5461.2,1218.16 5424.26,1181.22 5403.71,1160.67 ccw(c5412.34,1152.04) 5403.71,1143.41 ccw(c5412.34,1152.04) 5420.97,1143.41 5478.46,1200.9 cw(c5481.57,1197.79) 5484.68,1200.9 cw(c5481.57,1197.79) 5485.97,1197.79 cw(c5481.57,1197.79) 5484.68,1194.68 5447.74,1157.74 5427.19,1137.19 ccw(c5435.82,1128.56) 5427.19,1119.94 ccw(c5435.82,1128.56) 5444.44,1119.94 5459.12,1134.61 cw(c5462.23,1131.5) 5465.34,1134.61 5709.76,890.19 6080.79,890.19 6143.22,827.76 6383.31,827.76 6410.73,855.19 7105.79,855.19 7232.99,727.99 7232.99,517.99 P10.F9@7215,500